# Altium PCB STB_LightBoard.PcbDoc (part 30 of 31)
Units mm, origin at the board's own origin, x right, y up, seen from the top; angles counter-clockwise.
Board outline 348 x 348 mm, 2 copper layers (Top Layer, Bottom Layer), stack 1.672 mm thick; 3807 components, 3391 nets, 11616 pads, 2553 vias.
Unrouted connection lines stored in the file: 68.
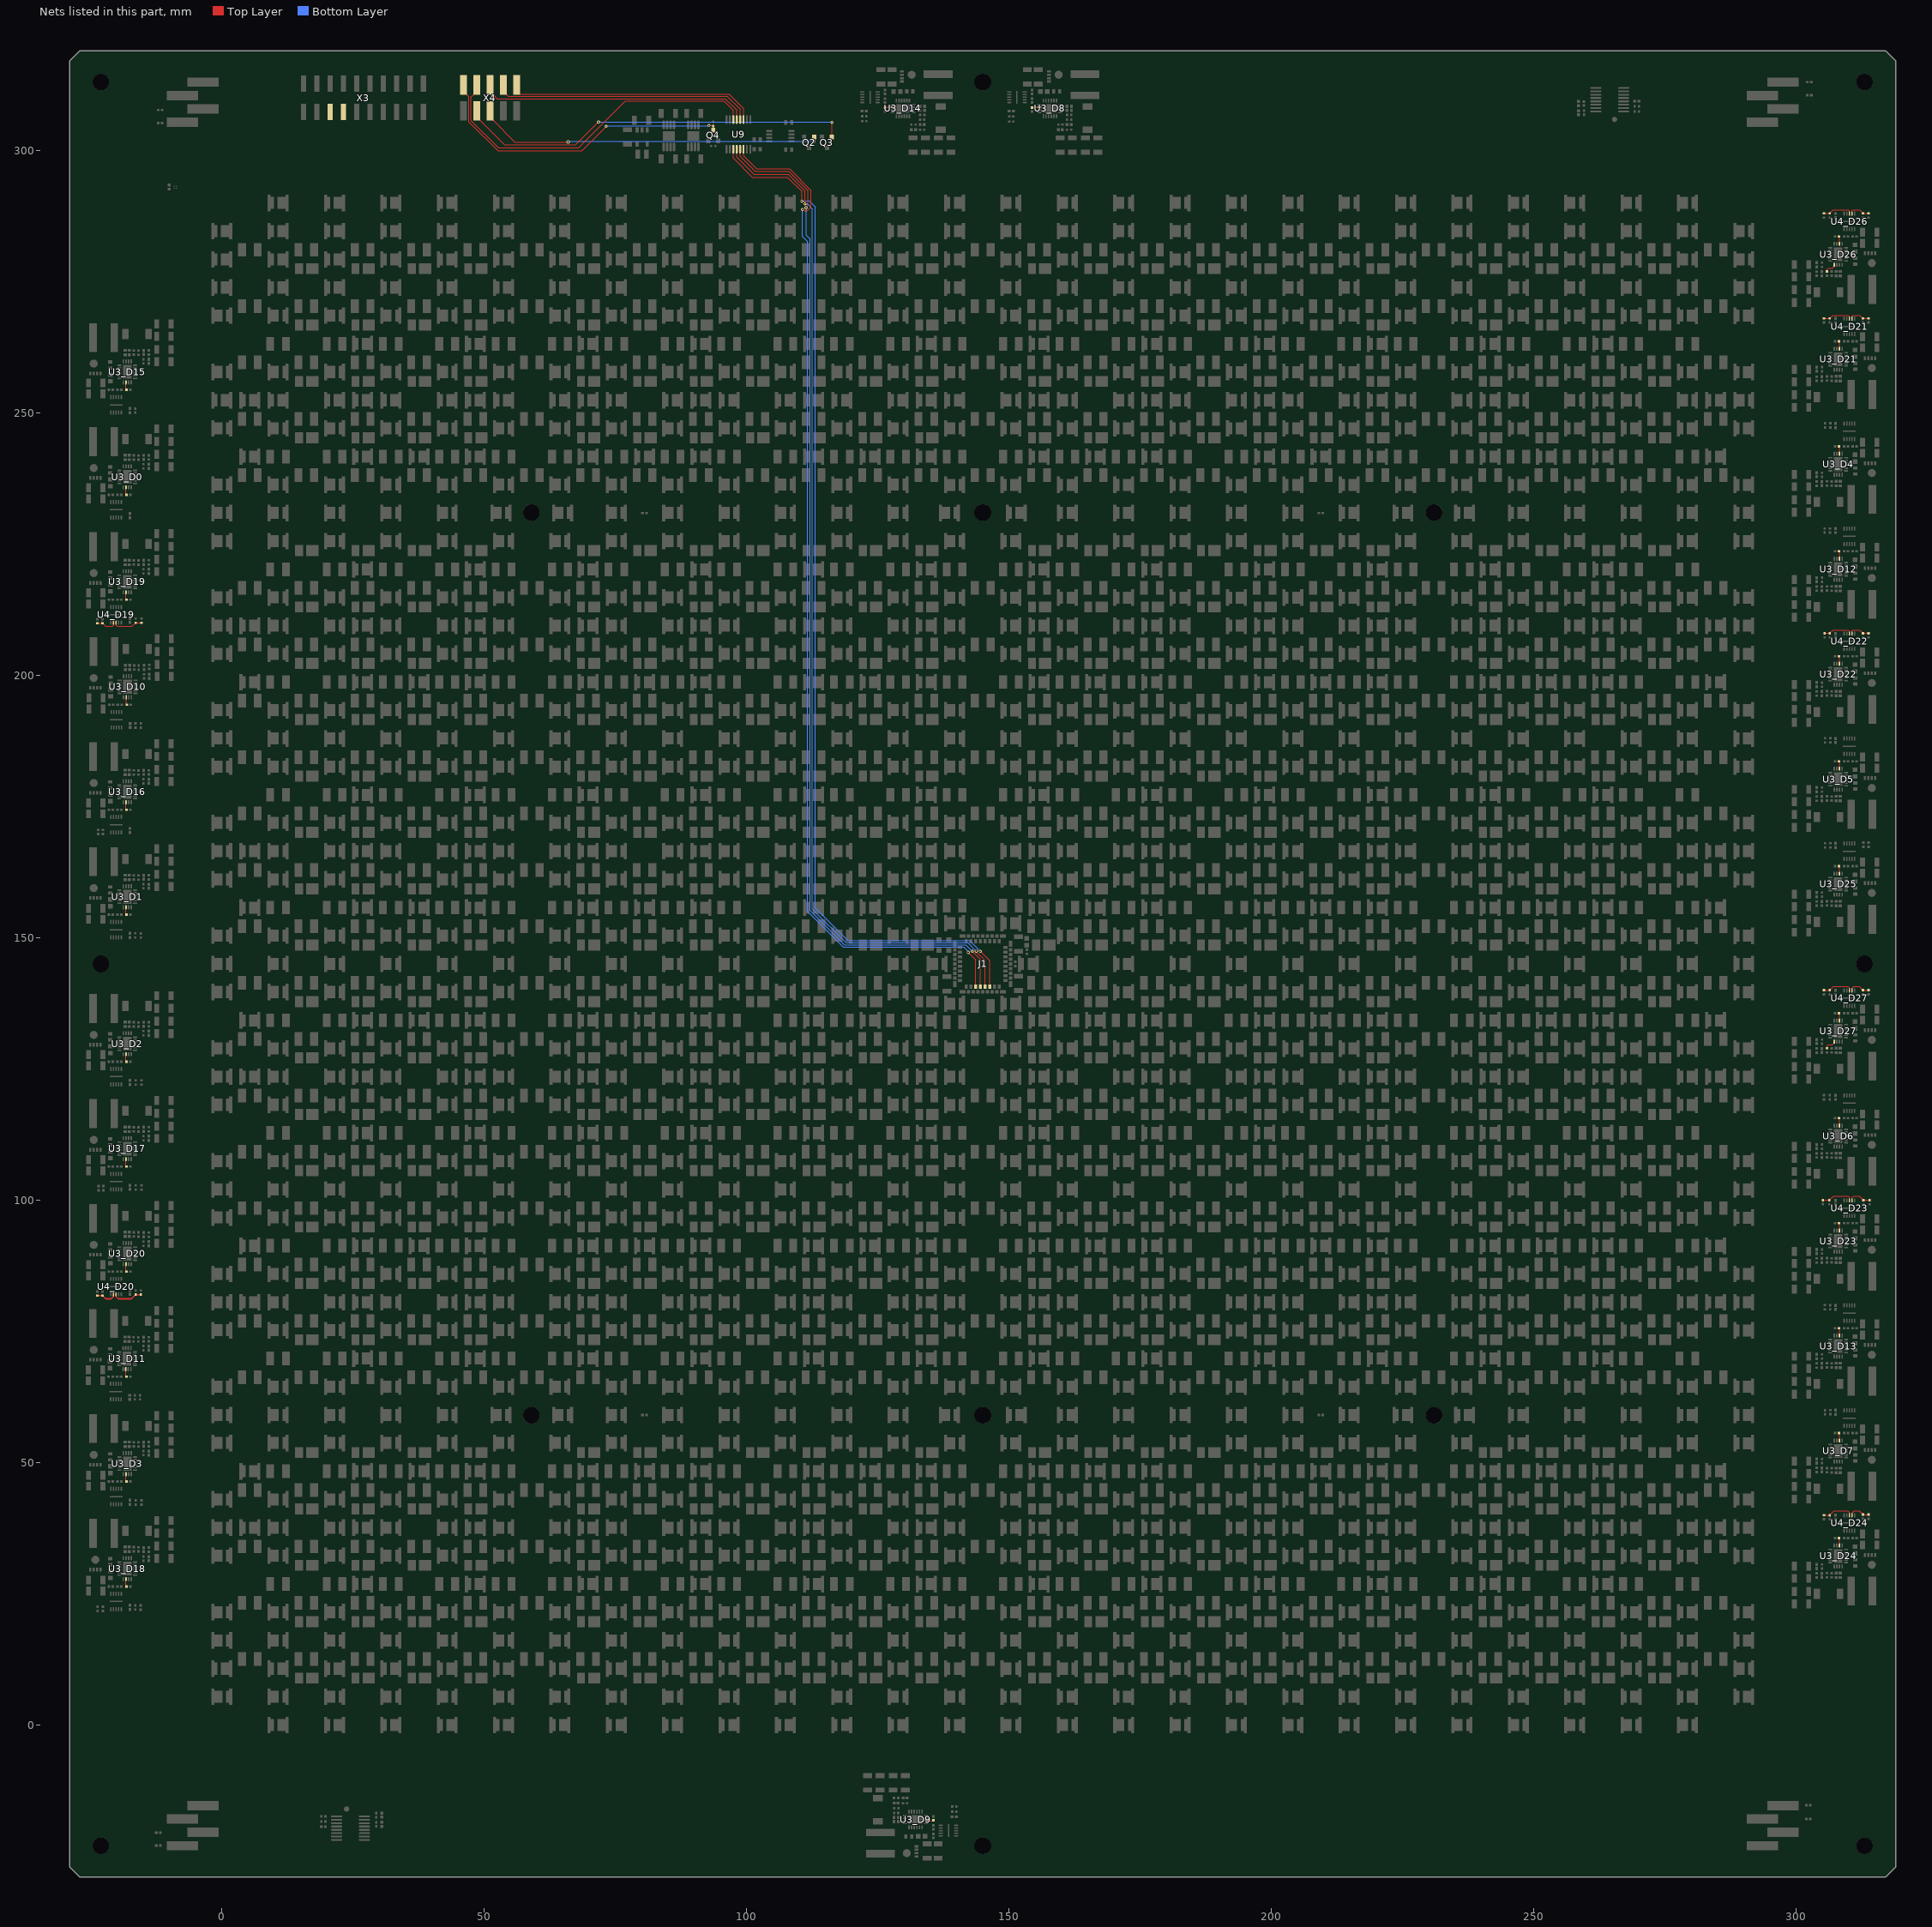
[diagram p30: the nets of this part, all layers, seen from the top]

## Via types
v1: diameter 0.604, hole 0.3, Top Layer to Bottom Layer, tented both sides, 2553 vias

## Nets (pads, with @x,y where several pads share a name; then routed paths per layer and width w, separated by ;. In a path a pad name is that pad's centre, name@x,y a point inside that pad or via, vN(x,y) a via of type N, cw(c..) or ccw(c..) an arc to the next point about the centre after c; other vN are vias at no path point) (continued)
NetR59_D26_2: R59_D26.2 U3_D26.17 | length 2.3
  Top Layer w0.2: R59_D26.2@305.875,276.94 305.884,276.948 305.884,277.347 306.112,277.575 306.875,277.575 307.25,277.95 U3_D26.17@307.25,278.2
NetR59_D27_2: R59_D27.2 U3_D27.17 | length 2.3
  Top Layer w0.2: R59_D27.2@305.875,128.94 305.884,128.948 305.884,129.347 306.112,129.575 306.875,129.575 307.25,129.95 U3_D27.17@307.25,130.2
NetR60_D0_2: R60_D0.2 U3_D0.8 | length 1.5
  Top Layer w0.2: U3_D0.8@-18.25,235.8 -18.231,235.781 -18.231,234.495 R60_D0.2@-18.125,234.389
NetR60_D1_2: R60_D1.2 U3_D1.8 | length 1.5
  Top Layer w0.2: U3_D1.8@-18.25,155.8 -18.231,155.781 -18.231,154.495 R60_D1.2@-18.125,154.389
NetR60_D2_2: R60_D2.2 U3_D2.8 | length 1.5
  Top Layer w0.2: U3_D2.8@-18.25,127.8 -18.231,127.781 -18.231,126.495 R60_D2.2@-18.125,126.389
NetR60_D3_2: R60_D3.2 U3_D3.8 | length 1.5
  Top Layer w0.2: U3_D3.8@-18.25,47.8 -18.231,47.781 -18.231,46.495 R60_D3.2@-18.125,46.389
NetR60_D4_2: R60_D4.2 U3_D4.8 | length 1.3
  Top Layer w0.2: R60_D4.2@308.231,243.505 308.231,242.219 U3_D4.8@308.25,242.2
NetR60_D5_2: R60_D5.2 U3_D5.8 | length 1.5
  Top Layer w0.2: R60_D5.2@308.125,183.611 308.231,183.505 308.231,182.219 U3_D5.8@308.25,182.2
NetR60_D6_2: R60_D6.2 U3_D6.8 | length 1.5
  Top Layer w0.2: R60_D6.2@308.125,115.611 308.231,115.505 308.231,114.219 U3_D6.8@308.25,114.2
NetR60_D7_2: R60_D7.2 U3_D7.8 | length 1.5
  Top Layer w0.2: R60_D7.2@308.125,55.611 308.231,55.505 308.231,54.219 U3_D7.8@308.25,54.2
NetR60_D8_2: R60_D8.2 U3_D8.8 | length 1.5
  Top Layer w0.2: R60_D8.2@154.389,308.125 154.495,308.231 155.781,308.231 U3_D8.8@155.8,308.25
NetR60_D9_2: R60_D9.2 U3_D9.8 | length 1.5
  Top Layer w0.2: U3_D9.8@134.2,-18.25 134.219,-18.231 135.505,-18.231 R60_D9.2@135.611,-18.125
NetR60_D10_2: R60_D10.2 U3_D10.8 | length 1.5
  Top Layer w0.2: U3_D10.8@-18.192,195.8 -18.173,195.781 -18.173,194.495 R60_D10.2@-18.067,194.389
NetR60_D11_2: R60_D11.2 U3_D11.8 | length 1.5
  Top Layer w0.2: U3_D11.8@-18.292,67.8 -18.273,67.781 -18.273,66.495 R60_D11.2@-18.167,66.389
NetR60_D12_2: R60_D12.2 U3_D12.8 | length 1.5
  Top Layer w0.2: R60_D12.2@308.125,223.611 308.231,223.505 308.231,222.219 U3_D12.8@308.25,222.2
NetR60_D13_2: R60_D13.2 U3_D13.8 | length 1.5
  Top Layer w0.2: R60_D13.2@308.125,75.611 308.231,75.505 308.231,74.219 U3_D13.8@308.25,74.2
NetR60_D14_2: R60_D14.2 U3_D14.8 | length 1.5
  Top Layer w0.2: R60_D14.2@126.389,308.125 126.495,308.231 127.781,308.231 U3_D14.8@127.8,308.25
NetR60_D15_2: R60_D15.2 U3_D15.8 | length 1.5
  Top Layer w0.2: U3_D15.8@-18.25,255.8 -18.231,255.781 -18.231,254.495 R60_D15.2@-18.125,254.389
NetR60_D16_2: R60_D16.2 U3_D16.8 | length 1.5
  Top Layer w0.2: U3_D16.8@-18.25,175.8 -18.231,175.781 -18.231,174.495 R60_D16.2@-18.125,174.389
NetR60_D17_2: R60_D17.2 U3_D17.8 | length 1.5
  Top Layer w0.2: U3_D17.8@-18.25,107.8 -18.231,107.781 -18.231,106.495 R60_D17.2@-18.125,106.389
NetR60_D18_2: R60_D18.2 U3_D18.8 | length 1.5
  Top Layer w0.2: U3_D18.8@-18.25,27.8 -18.231,27.781 -18.231,26.495 R60_D18.2@-18.125,26.389
NetR60_D19_2: R60_D19.2 U3_D19.8 | length 1.5
  Top Layer w0.2: U3_D19.8@-18.25,215.8 -18.231,215.781 -18.231,214.495 R60_D19.2@-18.125,214.389
NetR60_D20_2: R60_D20.2 U3_D20.8 | length 1.5
  Top Layer w0.2: U3_D20.8@-18.25,87.8 -18.231,87.781 -18.231,86.495 R60_D20.2@-18.125,86.389
NetR60_D21_2: R60_D21.2 U3_D21.8 | length 1.5
  Top Layer w0.2: R60_D21.2@308.125,263.611 308.231,263.505 308.231,262.219 U3_D21.8@308.25,262.2
NetR60_D22_2: R60_D22.2 U3_D22.8 | length 1.5
  Top Layer w0.2: R60_D22.2@308.125,203.611 308.231,203.505 308.231,202.219 U3_D22.8@308.25,202.2
NetR60_D23_2: R60_D23.2 U3_D23.8 | length 1.5
  Top Layer w0.2: R60_D23.2@308.125,95.611 308.231,95.505 308.231,94.219 U3_D23.8@308.25,94.2
NetR60_D24_2: R60_D24.2 U3_D24.8 | length 1.5
  Top Layer w0.2: R60_D24.2@308.125,35.611 308.231,35.505 308.231,34.219 U3_D24.8@308.25,34.2
NetR60_D25_2: R60_D25.2 U3_D25.8 | length 1.5
  Top Layer w0.2: R60_D25.2@308.125,163.611 308.231,163.505 308.231,162.219 U3_D25.8@308.25,162.2
NetR60_D26_2: R60_D26.2 U3_D26.8 | length 1.5
  Top Layer w0.2: R60_D26.2@308.125,283.611 308.231,283.505 308.231,282.219 U3_D26.8@308.25,282.2
NetR60_D27_2: R60_D27.2 U3_D27.8 | length 1.5
  Top Layer w0.2: R60_D27.2@308.125,135.611 308.231,135.505 308.231,134.219 U3_D27.8@308.25,134.2
NetR61_1: R61.1 R63.2 U4_D19.3 | length 5.7
  Top Layer w0.2: U4_D19.3@-20.125,210.05 -20.125,209.542 -19.883,209.3 -17.1,209.3 R61.1@-16.4,210 R63.2@-15.3,210
NetR62_1: R62.1 R64.2 U4_D20.3 | length 5.7
  Top Layer w0.254: U4_D20.3@-20.125,82.05 -20.123,82.048 -20.123,81.623 -19.7,81.2 -17.2,81.2 R62.1@-16.4,82 R64.2@-15.4,82
NetR65_1: R65.1 R67.2 U4_D19.2 | length 4
  Top Layer w0.2: R67.2@-23.7,209.9 R65.1@-22.7,209.9 -22.1,209.3 -20.8,209.3 -20.635,209.465 -20.635,210.04 U4_D19.2@-20.625,210.05
NetR66_1: R66.1 R68.2 U4_D20.2 | length 3.9
  Top Layer w0.254: R68.2@-23.7,81.8 R66.1@-22.7,81.8 -22.1,81.2 -21.026,81.2 -20.627,81.599 -20.627,82.048 U4_D20.2@-20.625,82.05
NetR69_1: R69.1 R73.2 U4_D24.3 | length 5.9
  Top Layer w0.2: R73.2@305.3,40 305.313,39.987 306.387,39.987 R69.1@306.4,39.975 306.4,40 307.2,40.8 309.798,40.8 310.115,40.483 310.115,40.06 310.125,40.05 U4_D24.3@310.125,39.95
NetR70_1: R70.1 R74.2 U4_D21.3 | length 5.7
  Top Layer w0.2: R74.2@305.3,268 R70.1@306.4,268 307.002,268.602 309.996,268.602 310.115,268.483 310.115,267.96 U4_D21.3@310.125,267.95
NetR71_1: R71.1 R75.2 U4_D22.3 | length 5.6
  Top Layer w0.2: R75.2@305.4,208 R71.1@306.4,208 307.002,208.602 309.996,208.602 310.115,208.483 310.115,207.96 U4_D22.3@310.125,207.95
NetR72_1: R72.1 R76.2 U4_D23.3 | length 6.1
  Top Layer w0.2: R76.2@305.1,99.975 305.113,99.988 306.288,99.988 R72.1@306.3,100 307.1,100.8 309.906,100.8 310.115,100.59 310.115,99.96 U4_D23.3@310.125,99.95
NetR77_1: R77.1 R81.2 U4_D24.2 | length 4.1
  Top Layer w0.2: U4_D24.2@310.625,39.95 310.635,39.96 310.635,40.417 311.017,40.8 312,40.8 R77.1@312.7,40.1 R81.2@313.8,40.1
NetR78_1: R78.1 R82.2 U4_D21.2 | length 4
  Top Layer w0.2: U4_D21.2@310.625,267.95 310.635,267.96 310.635,268.435 310.802,268.602 312.098,268.602 R78.1@312.7,268 R82.2@313.8,268
NetR79_1: R79.1 R83.2 U4_D22.2 | length 4
  Top Layer w0.2: U4_D22.2@310.625,207.95 310.635,207.96 310.635,208.483 310.754,208.602 312.098,208.602 R79.1@312.7,208 R83.2@313.8,208
NetR80_1: R80.1 R84.2 U4_D23.2 | length 4.4
  Top Layer w0.2: U4_D23.2@310.625,99.95 310.635,99.96 310.635,100.483 310.952,100.8 312,100.8 R80.1@312.8,100 R84.2@314,100
NetR85_1: R85.1 R86.2 U4_D26.3 | length 5.6
  Top Layer w0.2: R86.2@305.3,288 R85.1@306.4,288 307.029,288.629 309.871,288.629 310.123,288.377 U4_D26.3@310.123,287.952
  Top Layer w0.254: U4_D26.3@310.123,287.952 U4_D26.3@310.125,287.95
NetR87_1: R87.1 R88.2 U4_D26.2 | length 4
  Top Layer w0.2: U4_D26.2@310.625,287.95 310.625,288.462 310.792,288.629 312.071,288.629 R87.1@312.7,288 R88.2@313.8,288
NetR89_1: R89.1 R90.2 U4_D27.3 | length 5.7
  Top Layer w0.2: R90.2@305.3,140 R89.1@306.4,140 307.1,140.7 309.8,140.7 310.115,140.385 310.115,139.96 U4_D27.3@310.125,139.95
NetR91_1: R91.1 R92.2 U4_D27.2 | length 4
  Top Layer w0.2: U4_D27.2@310.625,139.95 310.635,139.96 310.635,140.383 310.952,140.7 312,140.7 R91.1@312.7,140 R92.2@313.8,140
PW_DWN: Q2.1 X4.5 | length 65.8
  Top Layer w0.2: X4.5@51.13,307.525 51.13,306.32 51.665,305.785 55.85,301.6 v1(66,301.6) ; v1(112.875,301.675) Q2.1@112.875,302.525
  Bottom Layer w0.2: v1(66,301.6) 66.077,301.677 66.296,301.677 66.319,301.7 v1@112.875,301.7
RESET: Q3.1 X4.3 | length 75.7
  Top Layer w0.2: X4.3@48.59,307.525 48.59,306.32 49.125,305.785 49.149,305.785 53.888,301.046 67.446,301.046 v1(71.8,305.4) ; v1(116.271,305.324) 116.271,302.529 Q3.1@116.275,302.525
  Bottom Layer w0.2: v1(71.8,305.4) 71.825,305.375 v1@116.271,305.375 ; v1@116.246,305.35 v1(116.271,305.324)
SPI_CAM_CLK: J1.13 U9.12 | length 196.8
  Top Layer w0.2: U9.12@98.125,300.225 98.125,298.688 101.413,295.4 107.966,295.4 111.103,292.263 111.103,289.835 v1(111.143,289.795) ; v1(143.768,147.425) 143.768,147.36 145.45,145.678 J1.13@145.45,140.69
  Bottom Layer w0.2: v1(111.143,289.795) 111.605,289.795 112.563,288.837 112.563,155.437 118.988,149.012 142.18,149.012 v1(143.768,147.425)
SPI_CAM_MISO: J1.12 U9.13 | length 196.1
  Top Layer w0.2: U9.13@98.775,300.225 98.775,298.852 101.627,296 108.074,296 111.697,292.376 111.697,289.526 111.346,289.175 v1(111.346,289.066) ; v1(143,147.4) 144.55,145.85 J1.12@144.55,140.69
  Bottom Layer w0.2: v1(111.346,289.066) 111.346,283.854 112.108,283.092 112.108,155.186 118.655,148.64 141.76,148.64 v1(143,147.4)
SPI_CAM_MOSI: J1.11 U9.14 | length 197.2
  Top Layer w0.2: U9.14@99.425,300.225 99.425,298.958 101.883,296.5 108.161,296.5 112.3,292.361 112.3,289.236 111.576,288.512 111.001,288.512 110.774,288.739 v1(110.664,288.739) ; v1(142.245,147.2) 142.901,146.544 143.65,145.796 J1.11@143.65,140.69
  Bottom Layer w0.2: v1(110.664,288.739) 110.664,283.636 111.646,282.654 111.646,154.967 118.404,148.209 141.346,148.209 142.245,147.31 v1(142.245,147.2)
SPI_CAM_nCS: J1.14 U9.11 | length 198.2
  Top Layer w0.2: U9.11@97.475,300.225 97.475,298.553 101.128,294.9 107.8,294.9 110.549,292.151 v1(110.549,290.299) ; v1(144.53,147.416) 146.355,145.592 J1.14@146.355,140.695
  Bottom Layer w0.2: v1(110.549,290.299) 110.6,290.349 111.951,290.349 113.098,289.202 113.098,155.666 119.285,149.478 142.498,149.478 144.53,147.446 v1(144.53,147.416)
SPI_CLK: U9.5 X4.6 | length 51.5
  Top Layer w0.2: X4.6@51.13,312.475 51.665,311.94 51.665,310.699 52.514,309.851 95.949,309.851 98.125,307.675 U9.5@98.125,305.875
SPI_MISO: U9.4 X4.8 | length 49.7
  Top Layer w0.2: X4.8@53.67,312.475 53.67,311.27 53.692,311.248 54.62,310.32 96.28,310.32 98.775,307.825 U9.4@98.775,305.875
SPI_MOSI: U9.3 X4.10 | length 47.9
  Top Layer w0.2: X4.10@56.21,312.475 56.21,311.27 56.745,310.735 96.665,310.735 99.425,307.975 U9.3@99.425,305.875
SPI_nCS: U9.6 X4.4 | length 65.5
  Top Layer w0.2: X4.4@48.59,311.045 48.59,311.252 X4.4@48.59,312.25 ; X4.4@48.615,311.252 47.537,310.173 47.537,305.636 52.69,300.483 67.983,300.483 76.878,309.378 95.722,309.378 97.475,307.625 U9.6@97.475,305.875
UART_LIGHT_RX: X3.7
UART_LIGHT_TX: X3.5
VSYNC: Q4.3 R95.2 X4.2 | length 60
  Top Layer w0.2: X4.2@46.05,311.045 X4.2@46.05,312.25 ; X4.2@46.075,311.252 47.09,310.237 47.09,305.433 52.604,299.919 68.619,299.919 73.234,304.534 v1(73.234,304.602) ; v1(92.825,304.732) 93.65,304.732 Q4.3@93.65,303.85 R95.2@93.65,304.65
  Bottom Layer w0.2: v1(73.234,304.602) 73.299,304.667 92.76,304.667 v1(92.825,304.732)
pads on no net: J1.17 J1.28 J1.29 J1.31 J1.32 U3_D0.5 U3_D1.5 U3_D2.5 U3_D3.5 U3_D4.5 U3_D5.5 U3_D6.5 U3_D7.5 U3_D8.5 U3_D9.5 U3_D10.5 U3_D11.5 U3_D12.5 U3_D13.5 U3_D14.5 U3_D15.5 U3_D16.5 U3_D17.5 U3_D18.5 U3_D19.5 U3_D20.5 U3_D21.5 U3_D22.5 U3_D23.5 U3_D24.5 U3_D25.5 U3_D26.5 U3_D27.5 U4_D0.6 U4_D1.6 U4_D2.6 U4_D3.6 U4_D4.6 U4_D5.6 U4_D6.6 U4_D7.6 U4_D8.6 U4_D9.6 U4_D10.6 U4_D11.6 U4_D12.6 U4_D13.6 U4_D14.6 U4_D15.6 U4_D16.6 U4_D17.6 U4_D18.6 U4_D19.6 U4_D20.6 U4_D21.6 U4_D22.6 U4_D23.6 U4_D24.6 U4_D25.6 U4_D26.6 U4_D27.6 U5.6 U6.6

## Polygon pours and split planes (outlines as drawn)
GND on Top Layer "NONET_L-01_P-001" (solid, remove dead copper, pour order 92): -30,-30 320,-30 320,320 -30,320
12V on Top Layer "NONET_L-01_P-001" (solid, remove dead copper, pour order 65): 37.758,306.908 33.971,306.908 33.971,315.606 34.364,315.999 37.427,315.999 37.758,315.668
NetC7_D8_2 on Top Layer "NONET_L-01_P-001" (solid, pour order 95): 163.286,302.402 163.286,306.82 167.83,306.82 167.83,302.402
NetC7_D14_2 on Top Layer "NONET_L-01_P-001" (solid, pour order 94): 135.286,302.402 135.286,306.82 139.83,306.82 139.83,302.402
NetC7_D9_2 on Top Layer "NONET_L-01_P-001" (solid, pour order 93): 126.714,-12.402 126.714,-16.82 122.17,-16.82 122.17,-12.402
NetC7_D24_2 on Top Layer "NONET_L-01_P-001" (solid, pour order 90): 302.402,26.714 306.82,26.714 306.82,22.17 302.402,22.17
NetC7_D7_2 on Top Layer "NONET_L-01_P-001" (solid, pour order 89): 302.402,46.714 306.82,46.714 306.82,42.17 302.402,42.17
NetC7_D13_2 on Top Layer "NONET_L-01_P-001" (solid, pour order 88): 302.402,66.714 306.82,66.714 306.82,62.17 302.402,62.17
NetC7_D23_2 on Top Layer "NONET_L-01_P-001" (solid, pour order 87): 302.402,86.714 306.82,86.714 306.82,82.17 302.402,82.17
NetC7_D6_2 on Top Layer "NONET_L-01_P-001" (solid, pour order 86): 302.402,106.714 306.82,106.714 306.82,102.17 302.402,102.17
NetC7_D27_2 on Top Layer "NONET_L-01_P-001" (solid, pour order 85): 302.402,126.714 306.82,126.714 306.82,122.17 302.402,122.17
NetC7_D25_2 on Top Layer "NONET_L-01_P-001" (solid, pour order 84): 302.402,154.714 306.82,154.714 306.82,150.17 302.402,150.17
NetC7_D5_2 on Top Layer "NONET_L-01_P-001" (solid, pour order 83): 302.402,174.714 306.82,174.714 306.82,170.17 302.402,170.17
NetC7_D22_2 on Top Layer "NONET_L-01_P-001" (solid, pour order 82): 302.402,194.714 306.82,194.714 306.82,190.17 302.402,190.17
NetC7_D12_2 on Top Layer "NONET_L-01_P-001" (solid, pour order 81): 302.402,214.714 306.82,214.714 306.82,210.17 302.402,210.17
NetC7_D4_2 on Top Layer "NONET_L-01_P-001" (solid, pour order 80): 302.402,234.714 306.82,234.714 306.82,230.17 302.402,230.17
NetC7_D21_2 on Top Layer "NONET_L-01_P-001" (solid, pour order 79): 302.402,254.714 306.82,254.714 306.82,250.17 302.402,250.17
NetC7_D26_2 on Top Layer "NONET_L-01_P-001" (solid, pour order 78): 302.402,274.714 306.82,274.714 306.82,270.17 302.402,270.17
NetC7_D18_2 on Top Layer "NONET_L-01_P-001" (solid, pour order 77): -12.402,35.286 -16.82,35.286 -16.82,39.83 -12.402,39.83
NetC7_D3_2 on Top Layer "NONET_L-01_P-001" (solid, pour order 76): -12.402,55.286 -16.82,55.286 -16.82,59.83 -12.402,59.83
NetC7_D11_2 on Top Layer "NONET_L-01_P-001" (solid, pour order 75): -12.444,75.286 -16.862,75.286 -16.862,79.83 -12.444,79.83
NetC7_D20_2 on Top Layer "NONET_L-01_P-001" (solid, pour order 74): -12.402,95.286 -16.82,95.286 -16.82,99.83 -12.402,99.83
NetC7_D17_2 on Top Layer "NONET_L-01_P-001" (solid, pour order 73): -12.402,115.286 -16.82,115.286 -16.82,119.83 -12.402,119.83
NetC7_D2_2 on Top Layer "NONET_L-01_P-001" (solid, pour order 72): -12.402,135.286 -16.82,135.286 -16.82,139.83 -12.402,139.83
NetC7_D1_2 on Top Layer "NONET_L-01_P-001" (solid, pour order 71): -12.402,163.286 -16.82,163.286 -16.82,167.83 -12.402,167.83
NetC7_D16_2 on Top Layer "NONET_L-01_P-001" (solid, pour order 70): -12.402,183.286 -16.82,183.286 -16.82,187.83 -12.402,187.83
NetC7_D10_2 on Top Layer "NONET_L-01_P-001" (solid, pour order 69): -12.344,203.286 -16.762,203.286 -16.762,207.83 -12.344,207.83
NetC7_D19_2 on Top Layer "NONET_L-01_P-001" (solid, pour order 68): -12.402,223.286 -16.82,223.286 -16.82,227.83 -12.402,227.83
NetC7_D15_2 on Top Layer "NONET_L-01_P-001" (solid, pour order 67): -12.402,263.286 -16.82,263.286 -16.82,267.83 -12.402,267.83
NetC7_D0_2 on Top Layer "NONET_L-01_P-001" (solid, pour order 66): -12.402,243.286 -16.82,243.286 -16.82,247.83 -12.402,247.83
GND on Bottom Layer "NONET_L-01_P-001" (solid, remove dead copper, pour order 91): -30,-30 -27.5,-32.5 320,-32.5 320,317.5 320,320 -30,320
24V on Bottom Layer "NONET_L-01_P-001" (solid, remove dead copper, pour order 61): -12,145 -12,293 -11,294 113,294 121,302 169,302 177,294 300,294 302,292 302,145 319,145 319,317 317,319 -27,319 -29,317 -29,145
12V on Bottom Layer "NONET_L-01_P-001" (solid, pour order 57): 305,308 305,319 -27,319 -29,317 -29,273 -25,273 -25,312 -22,315 -14,315 -13.292,314.292 -13.292,310.682 -12.642,310.033 -11.21,310.033 -10.727,310.516 -10.727,314.358 -10.085,315 125,315 127.4,315 127,315 151,315 155,315 300,315 301,314 301,308 302,307 304,307
12V on Bottom Layer "NONET_L-01_P-001" (solid, pour order 58): 303.673,-20.673 303.673,-29 -27,-29 -29,-27 -29,273 -25,273 -25,-22 -22,-25 -16,-25 -14.4,-23.4 -14.4,-18.3 -13.5,-17.4 -11.8,-17.4 -11,-18.2 -11,-24 -10,-25 123,-25 127,-25 151,-25 155,-25 300,-25 301,-24 301,-20.597 301.597,-20 303,-20
24V on Bottom Layer "NONET_L-01_P-001" (solid, remove dead copper, pour order 60): -12,145 -12,-3 -11,-4 113,-4 121,-12 141,-12 149,-4 300,-4 302,-2 302,145 319,145 319,-27 317,-29 -27,-29 -29,-27 -29,145
3V3 on Bottom Layer "NONET_L-01_P-001" (solid, pour order 63): -10.922,289.7 -8.622,292 114,292 122,300 168,300 176,292 299,292 300,291 300,34 301,33 302,33 302,292 300,294 177,294 169,302 121,302 113,294 -10.922,294
3V3 on Bottom Layer "NONET_L-01_P-001" (solid, pour order 62): -10,0 -8,-2 114,-2 123.002,-11.002 139.998,-11.002 142.5,-11.002 142.5,-12 121,-12 113,-4 -11,-4 -12,-3 -12,293 -11,294 -10,294


## Text inside footprints (layer, text, board x,y; h text height)
LED72_W5_A4: Mechanical 1 "A" at 73.663,13.026 h0.51 r180; Mechanical 1 "K" at 77.092,13.026 h0.51 r180
LED72_W5_A5: Mechanical 1 "A" at 84.404,2.286 h0.51 r180; Mechanical 1 "K" at 87.833,2.286 h0.51 r180
LED73_W5_10: Mechanical 1 "A" at 44.488,212.539 h0.51; Mechanical 1 "K" at 41.059,212.539 h0.51
LED73_W5_11: Mechanical 1 "A" at 44.488,223.279 h0.51; Mechanical 1 "K" at 41.059,223.279 h0.51
LED73_W5_12: Mechanical 1 "A" at 44.488,234.019 h0.51; Mechanical 1 "K" at 41.059,234.019 h0.51
LED73_W5_13: Mechanical 1 "A" at 44.488,244.759 h0.51; Mechanical 1 "K" at 41.059,244.759 h0.51
LED73_W5_14: Mechanical 1 "A" at 44.488,255.499 h0.51; Mechanical 1 "K" at 41.059,255.499 h0.51
LED73_W5_15: Mechanical 1 "A" at 44.488,266.239 h0.51; Mechanical 1 "K" at 41.059,266.239 h0.51
LED73_W5_20: Mechanical 1 "A" at 44.488,148.099 h0.51; Mechanical 1 "K" at 41.059,148.099 h0.51
LED73_W5_21: Mechanical 1 "A" at 44.488,158.839 h0.51; Mechanical 1 "K" at 41.059,158.839 h0.51
LED73_W5_22: Mechanical 1 "A" at 44.488,169.579 h0.51; Mechanical 1 "K" at 41.059,169.579 h0.51
LED73_W5_23: Mechanical 1 "A" at 44.488,180.319 h0.51; Mechanical 1 "K" at 41.059,180.319 h0.51
LED73_W5_24: Mechanical 1 "A" at 44.488,191.059 h0.51; Mechanical 1 "K" at 41.059,191.059 h0.51
LED73_W5_25: Mechanical 1 "A" at 44.488,201.799 h0.51; Mechanical 1 "K" at 41.059,201.799 h0.51
LED73_W5_30: Mechanical 1 "A" at 44.488,83.659 h0.51; Mechanical 1 "K" at 41.059,83.659 h0.51
LED73_W5_31: Mechanical 1 "A" at 44.488,94.399 h0.51; Mechanical 1 "K" at 41.059,94.399 h0.51
LED73_W5_32: Mechanical 1 "A" at 44.488,105.139 h0.51; Mechanical 1 "K" at 41.059,105.139 h0.51
LED73_W5_33: Mechanical 1 "A" at 44.488,115.879 h0.51; Mechanical 1 "K" at 41.059,115.879 h0.51
LED73_W5_34: Mechanical 1 "A" at 44.488,126.619 h0.51; Mechanical 1 "K" at 41.059,126.619 h0.51
LED73_W5_35: Mechanical 1 "A" at 44.488,137.359 h0.51; Mechanical 1 "K" at 41.059,137.359 h0.51
LED73_W5_40: Mechanical 1 "A" at 44.488,19.219 h0.51; Mechanical 1 "K" at 41.059,19.219 h0.51
LED73_W5_41: Mechanical 1 "A" at 44.488,29.959 h0.51; Mechanical 1 "K" at 41.059,29.959 h0.51
LED73_W5_42: Mechanical 1 "A" at 44.488,40.699 h0.51; Mechanical 1 "K" at 41.059,40.699 h0.51
LED73_W5_43: Mechanical 1 "A" at 44.488,51.439 h0.51; Mechanical 1 "K" at 41.059,51.439 h0.51
LED73_W5_44: Mechanical 1 "A" at 44.488,62.179 h0.51; Mechanical 1 "K" at 41.059,62.179 h0.51
LED73_W5_45: Mechanical 1 "A" at 44.488,72.919 h0.51; Mechanical 1 "K" at 41.059,72.919 h0.51
LED73_W5_50: Mechanical 1 "A" at 245.519,270.786 h0.51 r180; Mechanical 1 "K" at 248.948,270.786 h0.51 r180
LED73_W5_51: Mechanical 1 "A" at 245.519,260.046 h0.51 r180; Mechanical 1 "K" at 248.948,260.046 h0.51 r180
LED73_W5_52: Mechanical 1 "A" at 245.519,249.306 h0.51 r180; Mechanical 1 "K" at 248.948,249.306 h0.51 r180
LED73_W5_53: Mechanical 1 "A" at 245.519,238.566 h0.51 r180; Mechanical 1 "K" at 248.948,238.566 h0.51 r180
LED73_W5_54: Mechanical 1 "A" at 245.519,227.826 h0.51 r180; Mechanical 1 "K" at 248.948,227.826 h0.51 r180
LED73_W5_55: Mechanical 1 "A" at 245.519,217.086 h0.51 r180; Mechanical 1 "K" at 248.948,217.086 h0.51 r180
LED73_W5_60: Mechanical 1 "A" at 245.519,206.346 h0.51 r180; Mechanical 1 "K" at 248.948,206.346 h0.51 r180
LED73_W5_61: Mechanical 1 "A" at 245.519,195.606 h0.51 r180; Mechanical 1 "K" at 248.948,195.606 h0.51 r180
LED73_W5_62: Mechanical 1 "A" at 245.519,184.866 h0.51 r180; Mechanical 1 "K" at 248.948,184.866 h0.51 r180
LED73_W5_63: Mechanical 1 "A" at 245.519,174.126 h0.51 r180; Mechanical 1 "K" at 248.948,174.126 h0.51 r180
LED73_W5_64: Mechanical 1 "A" at 245.519,163.386 h0.51 r180; Mechanical 1 "K" at 248.948,163.386 h0.51 r180
LED73_W5_65: Mechanical 1 "A" at 245.519,152.646 h0.51 r180; Mechanical 1 "K" at 248.948,152.646 h0.51 r180
LED73_W5_70: Mechanical 1 "A" at 245.519,141.906 h0.51 r180; Mechanical 1 "K" at 248.948,141.906 h0.51 r180
LED73_W5_71: Mechanical 1 "A" at 245.519,131.166 h0.51 r180; Mechanical 1 "K" at 248.948,131.166 h0.51 r180
LED73_W5_72: Mechanical 1 "A" at 245.519,120.426 h0.51 r180; Mechanical 1 "K" at 248.948,120.426 h0.51 r180
LED73_W5_73: Mechanical 1 "A" at 245.519,109.686 h0.51 r180; Mechanical 1 "K" at 248.948,109.686 h0.51 r180
LED73_W5_74: Mechanical 1 "A" at 245.519,98.946 h0.51 r180; Mechanical 1 "K" at 248.948,98.946 h0.51 r180
LED73_W5_75: Mechanical 1 "A" at 245.519,88.206 h0.51 r180; Mechanical 1 "K" at 248.948,88.206 h0.51 r180
LED73_W5_80: Mechanical 1 "A" at 245.519,77.466 h0.51 r180; Mechanical 1 "K" at 248.948,77.466 h0.51 r180
LED73_W5_81: Mechanical 1 "A" at 245.519,66.726 h0.51 r180; Mechanical 1 "K" at 248.948,66.726 h0.51 r180
LED73_W5_82: Mechanical 1 "A" at 245.519,55.986 h0.51 r180; Mechanical 1 "K" at 248.948,55.986 h0.51 r180
LED73_W5_83: Mechanical 1 "A" at 245.519,45.246 h0.51 r180; Mechanical 1 "K" at 248.948,45.246 h0.51 r180
LED73_W5_84: Mechanical 1 "A" at 245.519,34.506 h0.51 r180; Mechanical 1 "K" at 248.948,34.506 h0.51 r180
LED73_W5_85: Mechanical 1 "A" at 245.519,23.766 h0.51 r180; Mechanical 1 "K" at 248.948,23.766 h0.51 r180
LED73_W5_90: Mechanical 1 "A" at 95.145,292.266 h0.51 r180; Mechanical 1 "K" at 98.574,292.266 h0.51 r180
LED73_W5_91: Mechanical 1 "A" at 84.404,281.526 h0.51 r180; Mechanical 1 "K" at 87.833,281.526 h0.51 r180
LED73_W5_92: Mechanical 1 "A" at 141.157,233.994 h0.51; Mechanical 1 "K" at 137.728,233.994 h0.51
LED73_W5_93: Mechanical 1 "A" at 148.85,238.566 h0.51 r180; Mechanical 1 "K" at 152.279,238.566 h0.51 r180
LED73_W5_94: Mechanical 1 "A" at 205.603,276.954 h0.51; Mechanical 1 "K" at 202.174,276.954 h0.51
LED73_W5_95: Mechanical 1 "A" at 194.862,287.694 h0.51; Mechanical 1 "K" at 191.433,287.694 h0.51
LED73_W5_A0: Mechanical 1 "A" at 194.862,-2.286 h0.51; Mechanical 1 "K" at 191.433,-2.286 h0.51
LED73_W5_A1: Mechanical 1 "A" at 205.603,8.454 h0.51; Mechanical 1 "K" at 202.174,8.454 h0.51
LED73_W5_A2: Mechanical 1 "A" at 148.85,55.986 h0.51 r180; Mechanical 1 "K" at 152.279,55.986 h0.51 r180
LED73_W5_A3: Mechanical 1 "A" at 141.157,51.414 h0.51; Mechanical 1 "K" at 137.728,51.414 h0.51
LED73_W5_A4: Mechanical 1 "A" at 84.404,13.026 h0.51 r180; Mechanical 1 "K" at 87.833,13.026 h0.51 r180
LED73_W5_A5: Mechanical 1 "A" at 95.145,2.286 h0.51 r180; Mechanical 1 "K" at 98.574,2.286 h0.51 r180
LED74_W5_10: Mechanical 1 "A" at 33.747,212.539 h0.51; Mechanical 1 "K" at 30.318,212.539 h0.51
LED74_W5_11: Mechanical 1 "A" at 33.747,223.279 h0.51; Mechanical 1 "K" at 30.318,223.279 h0.51
LED74_W5_12: Mechanical 1 "A" at 33.747,234.019 h0.51; Mechanical 1 "K" at 30.318,234.019 h0.51
LED74_W5_13: Mechanical 1 "A" at 33.747,244.759 h0.51; Mechanical 1 "K" at 30.318,244.759 h0.51
LED74_W5_14: Mechanical 1 "A" at 33.747,255.499 h0.51; Mechanical 1 "K" at 30.318,255.499 h0.51
LED74_W5_15: Mechanical 1 "A" at 33.747,266.239 h0.51; Mechanical 1 "K" at 30.318,266.239 h0.51
LED74_W5_20: Mechanical 1 "A" at 33.747,148.099 h0.51; Mechanical 1 "K" at 30.318,148.099 h0.51
LED74_W5_21: Mechanical 1 "A" at 33.747,158.839 h0.51; Mechanical 1 "K" at 30.318,158.839 h0.51
LED74_W5_22: Mechanical 1 "A" at 33.747,169.579 h0.51; Mechanical 1 "K" at 30.318,169.579 h0.51
LED74_W5_23: Mechanical 1 "A" at 33.747,180.319 h0.51; Mechanical 1 "K" at 30.318,180.319 h0.51
LED74_W5_24: Mechanical 1 "A" at 33.747,191.059 h0.51; Mechanical 1 "K" at 30.318,191.059 h0.51
LED74_W5_25: Mechanical 1 "A" at 33.747,201.799 h0.51; Mechanical 1 "K" at 30.318,201.799 h0.51
LED74_W5_30: Mechanical 1 "A" at 33.747,83.659 h0.51; Mechanical 1 "K" at 30.318,83.659 h0.51
LED74_W5_31: Mechanical 1 "A" at 33.747,94.399 h0.51; Mechanical 1 "K" at 30.318,94.399 h0.51
LED74_W5_32: Mechanical 1 "A" at 33.747,105.139 h0.51; Mechanical 1 "K" at 30.318,105.139 h0.51
LED74_W5_33: Mechanical 1 "A" at 33.747,115.879 h0.51; Mechanical 1 "K" at 30.318,115.879 h0.51
LED74_W5_34: Mechanical 1 "A" at 33.747,126.619 h0.51; Mechanical 1 "K" at 30.318,126.619 h0.51
LED74_W5_35: Mechanical 1 "A" at 33.747,137.359 h0.51; Mechanical 1 "K" at 30.318,137.359 h0.51
LED74_W5_40: Mechanical 1 "A" at 33.747,19.219 h0.51; Mechanical 1 "K" at 30.318,19.219 h0.51
LED74_W5_41: Mechanical 1 "A" at 33.747,29.959 h0.51; Mechanical 1 "K" at 30.318,29.959 h0.51
LED74_W5_42: Mechanical 1 "A" at 33.747,40.699 h0.51; Mechanical 1 "K" at 30.318,40.699 h0.51
LED74_W5_43: Mechanical 1 "A" at 33.747,51.439 h0.51; Mechanical 1 "K" at 30.318,51.439 h0.51
LED74_W5_44: Mechanical 1 "A" at 33.747,62.179 h0.51; Mechanical 1 "K" at 30.318,62.179 h0.51
LED74_W5_45: Mechanical 1 "A" at 33.747,72.919 h0.51; Mechanical 1 "K" at 30.318,72.919 h0.51
LED74_W5_50: Mechanical 1 "A" at 256.26,270.786 h0.51 r180; Mechanical 1 "K" at 259.689,270.786 h0.51 r180
LED74_W5_51: Mechanical 1 "A" at 256.26,260.046 h0.51 r180; Mechanical 1 "K" at 259.689,260.046 h0.51 r180
LED74_W5_52: Mechanical 1 "A" at 256.26,249.306 h0.51 r180; Mechanical 1 "K" at 259.689,249.306 h0.51 r180
LED74_W5_53: Mechanical 1 "A" at 256.26,238.566 h0.51 r180; Mechanical 1 "K" at 259.689,238.566 h0.51 r180
LED74_W5_54: Mechanical 1 "A" at 256.26,227.826 h0.51 r180; Mechanical 1 "K" at 259.689,227.826 h0.51 r180
LED74_W5_55: Mechanical 1 "A" at 256.26,217.086 h0.51 r180; Mechanical 1 "K" at 259.689,217.086 h0.51 r180
LED74_W5_60: Mechanical 1 "A" at 256.26,206.346 h0.51 r180; Mechanical 1 "K" at 259.689,206.346 h0.51 r180
LED74_W5_61: Mechanical 1 "A" at 256.26,195.606 h0.51 r180; Mechanical 1 "K" at 259.689,195.606 h0.51 r180
LED74_W5_62: Mechanical 1 "A" at 256.26,184.866 h0.51 r180; Mechanical 1 "K" at 259.689,184.866 h0.51 r180
LED74_W5_63: Mechanical 1 "A" at 256.26,174.126 h0.51 r180; Mechanical 1 "K" at 259.689,174.126 h0.51 r180
LED74_W5_64: Mechanical 1 "A" at 256.26,163.386 h0.51 r180; Mechanical 1 "K" at 259.689,163.386 h0.51 r180
LED74_W5_65: Mechanical 1 "A" at 256.26,152.646 h0.51 r180; Mechanical 1 "K" at 259.689,152.646 h0.51 r180
LED74_W5_70: Mechanical 1 "A" at 256.26,141.906 h0.51 r180; Mechanical 1 "K" at 259.689,141.906 h0.51 r180
LED74_W5_71: Mechanical 1 "A" at 256.26,131.166 h0.51 r180; Mechanical 1 "K" at 259.689,131.166 h0.51 r180
LED74_W5_72: Mechanical 1 "A" at 256.26,120.426 h0.51 r180; Mechanical 1 "K" at 259.689,120.426 h0.51 r180
LED74_W5_73: Mechanical 1 "A" at 256.26,109.686 h0.51 r180; Mechanical 1 "K" at 259.689,109.686 h0.51 r180
LED74_W5_74: Mechanical 1 "A" at 256.26,98.946 h0.51 r180; Mechanical 1 "K" at 259.689,98.946 h0.51 r180
LED74_W5_75: Mechanical 1 "A" at 256.26,88.206 h0.51 r180; Mechanical 1 "K" at 259.689,88.206 h0.51 r180
LED74_W5_80: Mechanical 1 "A" at 256.26,77.466 h0.51 r180; Mechanical 1 "K" at 259.689,77.466 h0.51 r180
LED74_W5_81: Mechanical 1 "A" at 256.26,66.726 h0.51 r180; Mechanical 1 "K" at 259.689,66.726 h0.51 r180
LED74_W5_82: Mechanical 1 "A" at 256.26,55.986 h0.51 r180; Mechanical 1 "K" at 259.689,55.986 h0.51 r180
LED74_W5_83: Mechanical 1 "A" at 256.26,45.246 h0.51 r180; Mechanical 1 "K" at 259.689,45.246 h0.51 r180
LED74_W5_84: Mechanical 1 "A" at 256.26,34.506 h0.51 r180; Mechanical 1 "K" at 259.689,34.506 h0.51 r180
LED74_W5_85: Mechanical 1 "A" at 256.26,23.766 h0.51 r180; Mechanical 1 "K" at 259.689,23.766 h0.51 r180
LED74_W5_90: Mechanical 1 "A" at 105.886,292.266 h0.51 r180; Mechanical 1 "K" at 109.315,292.266 h0.51 r180
LED74_W5_91: Mechanical 1 "A" at 95.145,281.526 h0.51 r180; Mechanical 1 "K" at 98.574,281.526 h0.51 r180
LED74_W5_92: Mechanical 1 "A" at 141.157,244.734 h0.51; Mechanical 1 "K" at 137.728,244.734 h0.51
LED74_W5_93: Mechanical 1 "A" at 148.85,249.306 h0.51 r180; Mechanical 1 "K" at 152.279,249.306 h0.51 r180
LED74_W5_94: Mechanical 1 "A" at 194.862,276.954 h0.51; Mechanical 1 "K" at 191.433,276.954 h0.51
LED74_W5_95: Mechanical 1 "A" at 184.121,287.694 h0.51; Mechanical 1 "K" at 180.692,287.694 h0.51
LED74_W5_A0: Mechanical 1 "A" at 184.121,-2.286 h0.51; Mechanical 1 "K" at 180.692,-2.286 h0.51
LED74_W5_A1: Mechanical 1 "A" at 194.862,8.454 h0.51; Mechanical 1 "K" at 191.433,8.454 h0.51
LED74_W5_A2: Mechanical 1 "A" at 148.85,45.246 h0.51 r180; Mechanical 1 "K" at 152.279,45.246 h0.51 r180
LED74_W5_A3: Mechanical 1 "A" at 141.157,40.674 h0.51; Mechanical 1 "K" at 137.728,40.674 h0.51
LED74_W5_A4: Mechanical 1 "A" at 95.145,13.026 h0.51 r180; Mechanical 1 "K" at 98.574,13.026 h0.51 r180
LED74_W5_A5: Mechanical 1 "A" at 105.886,2.286 h0.51 r180; Mechanical 1 "K" at 109.315,2.286 h0.51 r180
LED75_W5_10: Mechanical 1 "A" at 23.006,212.539 h0.51; Mechanical 1 "K" at 19.577,212.539 h0.51
LED75_W5_11: Mechanical 1 "A" at 23.006,223.279 h0.51; Mechanical 1 "K" at 19.577,223.279 h0.51
LED75_W5_12: Mechanical 1 "A" at 23.006,234.019 h0.51; Mechanical 1 "K" at 19.577,234.019 h0.51
LED75_W5_13: Mechanical 1 "A" at 23.006,244.759 h0.51; Mechanical 1 "K" at 19.577,244.759 h0.51
LED75_W5_14: Mechanical 1 "A" at 23.006,255.499 h0.51; Mechanical 1 "K" at 19.577,255.499 h0.51
LED75_W5_15: Mechanical 1 "A" at 23.006,266.239 h0.51; Mechanical 1 "K" at 19.577,266.239 h0.51
LED75_W5_20: Mechanical 1 "A" at 23.006,148.099 h0.51; Mechanical 1 "K" at 19.577,148.099 h0.51
LED75_W5_21: Mechanical 1 "A" at 23.006,158.839 h0.51; Mechanical 1 "K" at 19.577,158.839 h0.51
LED75_W5_22: Mechanical 1 "A" at 23.006,169.579 h0.51; Mechanical 1 "K" at 19.577,169.579 h0.51
LED75_W5_23: Mechanical 1 "A" at 23.006,180.319 h0.51; Mechanical 1 "K" at 19.577,180.319 h0.51
LED75_W5_24: Mechanical 1 "A" at 23.006,191.059 h0.51; Mechanical 1 "K" at 19.577,191.059 h0.51
LED75_W5_25: Mechanical 1 "A" at 23.006,201.799 h0.51; Mechanical 1 "K" at 19.577,201.799 h0.51
LED75_W5_30: Mechanical 1 "A" at 23.006,83.659 h0.51; Mechanical 1 "K" at 19.577,83.659 h0.51
LED75_W5_31: Mechanical 1 "A" at 23.006,94.399 h0.51; Mechanical 1 "K" at 19.577,94.399 h0.51
LED75_W5_32: Mechanical 1 "A" at 23.006,105.139 h0.51; Mechanical 1 "K" at 19.577,105.139 h0.51
LED75_W5_33: Mechanical 1 "A" at 23.006,115.879 h0.51; Mechanical 1 "K" at 19.577,115.879 h0.51
LED75_W5_34: Mechanical 1 "A" at 23.006,126.619 h0.51; Mechanical 1 "K" at 19.577,126.619 h0.51
LED75_W5_35: Mechanical 1 "A" at 23.006,137.359 h0.51; Mechanical 1 "K" at 19.577,137.359 h0.51
LED75_W5_40: Mechanical 1 "A" at 23.006,19.219 h0.51; Mechanical 1 "K" at 19.577,19.219 h0.51
LED75_W5_41: Mechanical 1 "A" at 23.006,29.959 h0.51; Mechanical 1 "K" at 19.577,29.959 h0.51
LED75_W5_42: Mechanical 1 "A" at 23.006,40.699 h0.51; Mechanical 1 "K" at 19.577,40.699 h0.51
LED75_W5_43: Mechanical 1 "A" at 23.006,51.439 h0.51; Mechanical 1 "K" at 19.577,51.439 h0.51
LED75_W5_44: Mechanical 1 "A" at 23.006,62.179 h0.51; Mechanical 1 "K" at 19.577,62.179 h0.51
LED75_W5_45: Mechanical 1 "A" at 23.006,72.919 h0.51; Mechanical 1 "K" at 19.577,72.919 h0.51
LED75_W5_50: Mechanical 1 "A" at 267.001,270.786 h0.51 r180; Mechanical 1 "K" at 270.43,270.786 h0.51 r180
LED75_W5_51: Mechanical 1 "A" at 267.001,260.046 h0.51 r180; Mechanical 1 "K" at 270.43,260.046 h0.51 r180
LED75_W5_52: Mechanical 1 "A" at 267.001,249.306 h0.51 r180; Mechanical 1 "K" at 270.43,249.306 h0.51 r180
LED75_W5_53: Mechanical 1 "A" at 267.001,238.566 h0.51 r180; Mechanical 1 "K" at 270.43,238.566 h0.51 r180
LED75_W5_54: Mechanical 1 "A" at 267.001,227.826 h0.51 r180; Mechanical 1 "K" at 270.43,227.826 h0.51 r180
LED75_W5_55: Mechanical 1 "A" at 267.001,217.086 h0.51 r180; Mechanical 1 "K" at 270.43,217.086 h0.51 r180
LED75_W5_60: Mechanical 1 "A" at 267.001,206.346 h0.51 r180; Mechanical 1 "K" at 270.43,206.346 h0.51 r180
LED75_W5_61: Mechanical 1 "A" at 267.001,195.606 h0.51 r180; Mechanical 1 "K" at 270.43,195.606 h0.51 r180
LED75_W5_62: Mechanical 1 "A" at 267.001,184.866 h0.51 r180; Mechanical 1 "K" at 270.43,184.866 h0.51 r180
LED75_W5_63: Mechanical 1 "A" at 267.001,174.126 h0.51 r180; Mechanical 1 "K" at 270.43,174.126 h0.51 r180
LED75_W5_64: Mechanical 1 "A" at 267.001,163.386 h0.51 r180; Mechanical 1 "K" at 270.43,163.386 h0.51 r180
LED75_W5_65: Mechanical 1 "A" at 267.001,152.646 h0.51 r180; Mechanical 1 "K" at 270.43,152.646 h0.51 r180
LED75_W5_70: Mechanical 1 "A" at 267.001,141.906 h0.51 r180; Mechanical 1 "K" at 270.43,141.906 h0.51 r180
LED75_W5_71: Mechanical 1 "A" at 267.001,131.166 h0.51 r180; Mechanical 1 "K" at 270.43,131.166 h0.51 r180
LED75_W5_72: Mechanical 1 "A" at 267.001,120.426 h0.51 r180; Mechanical 1 "K" at 270.43,120.426 h0.51 r180
LED75_W5_73: Mechanical 1 "A" at 267.001,109.686 h0.51 r180; Mechanical 1 "K" at 270.43,109.686 h0.51 r180
LED75_W5_74: Mechanical 1 "A" at 267.001,98.946 h0.51 r180; Mechanical 1 "K" at 270.43,98.946 h0.51 r180
LED75_W5_75: Mechanical 1 "A" at 267.001,88.206 h0.51 r180; Mechanical 1 "K" at 270.43,88.206 h0.51 r180
LED75_W5_80: Mechanical 1 "A" at 267.001,77.466 h0.51 r180; Mechanical 1 "K" at 270.43,77.466 h0.51 r180
LED75_W5_81: Mechanical 1 "A" at 267.001,66.726 h0.51 r180; Mechanical 1 "K" at 270.43,66.726 h0.51 r180
LED75_W5_82: Mechanical 1 "A" at 267.001,55.986 h0.51 r180; Mechanical 1 "K" at 270.43,55.986 h0.51 r180
LED75_W5_83: Mechanical 1 "A" at 267.001,45.246 h0.51 r180; Mechanical 1 "K" at 270.43,45.246 h0.51 r180
LED75_W5_84: Mechanical 1 "A" at 267.001,34.506 h0.51 r180; Mechanical 1 "K" at 270.43,34.506 h0.51 r180
LED75_W5_85: Mechanical 1 "A" at 267.001,23.766 h0.51 r180; Mechanical 1 "K" at 270.43,23.766 h0.51 r180
LED75_W5_90: Mechanical 1 "A" at 116.627,292.266 h0.51 r180; Mechanical 1 "K" at 120.056,292.266 h0.51 r180
LED75_W5_91: Mechanical 1 "A" at 105.886,281.526 h0.51 r180; Mechanical 1 "K" at 109.315,281.526 h0.51 r180
LED75_W5_92: Mechanical 1 "A" at 141.157,255.474 h0.51; Mechanical 1 "K" at 137.728,255.474 h0.51
LED75_W5_93: Mechanical 1 "A" at 148.85,260.046 h0.51 r180; Mechanical 1 "K" at 152.279,260.046 h0.51 r180
LED75_W5_94: Mechanical 1 "A" at 184.121,276.954 h0.51; Mechanical 1 "K" at 180.692,276.954 h0.51
LED75_W5_95: Mechanical 1 "A" at 173.38,287.694 h0.51; Mechanical 1 "K" at 169.951,287.694 h0.51
LED75_W5_A0: Mechanical 1 "A" at 173.38,-2.286 h0.51; Mechanical 1 "K" at 169.951,-2.286 h0.51
LED75_W5_A1: Mechanical 1 "A" at 184.121,8.454 h0.51; Mechanical 1 "K" at 180.692,8.454 h0.51
LED75_W5_A2: Mechanical 1 "A" at 148.85,34.506 h0.51 r180; Mechanical 1 "K" at 152.279,34.506 h0.51 r180
LED75_W5_A3: Mechanical 1 "A" at 141.157,29.934 h0.51; Mechanical 1 "K" at 137.728,29.934 h0.51
LED75_W5_A4: Mechanical 1 "A" at 105.886,13.026 h0.51 r180; Mechanical 1 "K" at 109.315,13.026 h0.51 r180
LED75_W5_A5: Mechanical 1 "A" at 116.627,2.286 h0.51 r180; Mechanical 1 "K" at 120.056,2.286 h0.51 r180
LED76_W5_10: Mechanical 1 "A" at 12.265,212.539 h0.51; Mechanical 1 "K" at 8.836,212.539 h0.51
LED76_W5_11: Mechanical 1 "A" at 12.265,223.279 h0.51; Mechanical 1 "K" at 8.836,223.279 h0.51
LED76_W5_12: Mechanical 1 "A" at 12.265,234.019 h0.51; Mechanical 1 "K" at 8.836,234.019 h0.51
LED76_W5_13: Mechanical 1 "A" at 12.265,244.759 h0.51; Mechanical 1 "K" at 8.836,244.759 h0.51
LED76_W5_14: Mechanical 1 "A" at 12.265,255.499 h0.51; Mechanical 1 "K" at 8.836,255.499 h0.51
LED76_W5_15: Mechanical 1 "A" at 12.265,266.239 h0.51; Mechanical 1 "K" at 8.836,266.239 h0.51
LED76_W5_20: Mechanical 1 "A" at 12.265,148.099 h0.51; Mechanical 1 "K" at 8.836,148.099 h0.51
LED76_W5_21: Mechanical 1 "A" at 12.265,158.839 h0.51; Mechanical 1 "K" at 8.836,158.839 h0.51
LED76_W5_22: Mechanical 1 "A" at 12.265,169.579 h0.51; Mechanical 1 "K" at 8.836,169.579 h0.51
LED76_W5_23: Mechanical 1 "A" at 12.265,180.319 h0.51; Mechanical 1 "K" at 8.836,180.319 h0.51
LED76_W5_24: Mechanical 1 "A" at 12.265,191.059 h0.51; Mechanical 1 "K" at 8.836,191.059 h0.51
LED76_W5_25: Mechanical 1 "A" at 12.265,201.799 h0.51; Mechanical 1 "K" at 8.836,201.799 h0.51
LED76_W5_30: Mechanical 1 "A" at 12.265,83.659 h0.51; Mechanical 1 "K" at 8.836,83.659 h0.51
LED76_W5_31: Mechanical 1 "A" at 12.265,94.399 h0.51; Mechanical 1 "K" at 8.836,94.399 h0.51
LED76_W5_32: Mechanical 1 "A" at 12.265,105.139 h0.51; Mechanical 1 "K" at 8.836,105.139 h0.51
LED76_W5_33: Mechanical 1 "A" at 12.265,115.879 h0.51; Mechanical 1 "K" at 8.836,115.879 h0.51
LED76_W5_34: Mechanical 1 "A" at 12.265,126.619 h0.51; Mechanical 1 "K" at 8.836,126.619 h0.51
LED76_W5_35: Mechanical 1 "A" at 12.265,137.359 h0.51; Mechanical 1 "K" at 8.836,137.359 h0.51
LED76_W5_40: Mechanical 1 "A" at 12.265,19.219 h0.51; Mechanical 1 "K" at 8.836,19.219 h0.51
LED76_W5_41: Mechanical 1 "A" at 12.265,29.959 h0.51; Mechanical 1 "K" at 8.836,29.959 h0.51
LED76_W5_42: Mechanical 1 "A" at 12.265,40.699 h0.51; Mechanical 1 "K" at 8.836,40.699 h0.51
LED76_W5_43: Mechanical 1 "A" at 12.265,51.439 h0.51; Mechanical 1 "K" at 8.836,51.439 h0.51
LED76_W5_44: Mechanical 1 "A" at 12.265,62.179 h0.51; Mechanical 1 "K" at 8.836,62.179 h0.51
LED76_W5_45: Mechanical 1 "A" at 12.265,72.919 h0.51; Mechanical 1 "K" at 8.836,72.919 h0.51
LED76_W5_50: Mechanical 1 "A" at 277.742,270.786 h0.51 r180; Mechanical 1 "K" at 281.171,270.786 h0.51 r180
LED76_W5_51: Mechanical 1 "A" at 277.742,260.046 h0.51 r180; Mechanical 1 "K" at 281.171,260.046 h0.51 r180
LED76_W5_52: Mechanical 1 "A" at 277.742,249.306 h0.51 r180; Mechanical 1 "K" at 281.171,249.306 h0.51 r180
LED76_W5_53: Mechanical 1 "A" at 277.742,238.566 h0.51 r180; Mechanical 1 "K" at 281.171,238.566 h0.51 r180
LED76_W5_54: Mechanical 1 "A" at 277.742,227.826 h0.51 r180; Mechanical 1 "K" at 281.171,227.826 h0.51 r180
LED76_W5_55: Mechanical 1 "A" at 277.742,217.086 h0.51 r180; Mechanical 1 "K" at 281.171,217.086 h0.51 r180
LED76_W5_60: Mechanical 1 "A" at 277.742,206.346 h0.51 r180; Mechanical 1 "K" at 281.171,206.346 h0.51 r180
LED76_W5_61: Mechanical 1 "A" at 277.742,195.606 h0.51 r180; Mechanical 1 "K" at 281.171,195.606 h0.51 r180
LED76_W5_62: Mechanical 1 "A" at 277.742,184.866 h0.51 r180; Mechanical 1 "K" at 281.171,184.866 h0.51 r180
LED76_W5_63: Mechanical 1 "A" at 277.742,174.126 h0.51 r180; Mechanical 1 "K" at 281.171,174.126 h0.51 r180
LED76_W5_64: Mechanical 1 "A" at 277.742,163.386 h0.51 r180; Mechanical 1 "K" at 281.171,163.386 h0.51 r180
LED76_W5_65: Mechanical 1 "A" at 277.742,152.646 h0.51 r180; Mechanical 1 "K" at 281.171,152.646 h0.51 r180
LED76_W5_70: Mechanical 1 "A" at 277.742,141.906 h0.51 r180; Mechanical 1 "K" at 281.171,141.906 h0.51 r180
LED76_W5_71: Mechanical 1 "A" at 277.742,131.166 h0.51 r180; Mechanical 1 "K" at 281.171,131.166 h0.51 r180
LED76_W5_72: Mechanical 1 "A" at 277.742,120.426 h0.51 r180; Mechanical 1 "K" at 281.171,120.426 h0.51 r180
LED76_W5_73: Mechanical 1 "A" at 277.742,109.686 h0.51 r180; Mechanical 1 "K" at 281.171,109.686 h0.51 r180
LED76_W5_74: Mechanical 1 "A" at 277.742,98.946 h0.51 r180; Mechanical 1 "K" at 281.171,98.946 h0.51 r180
LED76_W5_75: Mechanical 1 "A" at 277.742,88.206 h0.51 r180; Mechanical 1 "K" at 281.171,88.206 h0.51 r180
LED76_W5_80: Mechanical 1 "A" at 277.742,77.466 h0.51 r180; Mechanical 1 "K" at 281.171,77.466 h0.51 r180
LED76_W5_81: Mechanical 1 "A" at 277.742,66.726 h0.51 r180; Mechanical 1 "K" at 281.171,66.726 h0.51 r180
LED76_W5_82: Mechanical 1 "A" at 277.742,55.986 h0.51 r180; Mechanical 1 "K" at 281.171,55.986 h0.51 r180
LED76_W5_83: Mechanical 1 "A" at 277.742,45.246 h0.51 r180; Mechanical 1 "K" at 281.171,45.246 h0.51 r180
LED76_W5_84: Mechanical 1 "A" at 277.742,34.506 h0.51 r180; Mechanical 1 "K" at 281.171,34.506 h0.51 r180
LED76_W5_85: Mechanical 1 "A" at 277.742,23.766 h0.51 r180; Mechanical 1 "K" at 281.171,23.766 h0.51 r180
LED76_W5_90: Mechanical 1 "A" at 127.368,292.266 h0.51 r180; Mechanical 1 "K" at 130.797,292.266 h0.51 r180
LED76_W5_91: Mechanical 1 "A" at 116.627,281.526 h0.51 r180; Mechanical 1 "K" at 120.056,281.526 h0.51 r180
LED76_W5_92: Mechanical 1 "A" at 141.157,266.214 h0.51; Mechanical 1 "K" at 137.728,266.214 h0.51
LED76_W5_93: Mechanical 1 "A" at 148.85,270.786 h0.51 r180; Mechanical 1 "K" at 152.279,270.786 h0.51 r180
LED76_W5_94: Mechanical 1 "A" at 173.38,276.954 h0.51; Mechanical 1 "K" at 169.951,276.954 h0.51
LED76_W5_95: Mechanical 1 "A" at 162.639,287.694 h0.51; Mechanical 1 "K" at 159.21,287.694 h0.51
LED76_W5_A0: Mechanical 1 "A" at 162.639,-2.286 h0.51; Mechanical 1 "K" at 159.21,-2.286 h0.51
LED76_W5_A1: Mechanical 1 "A" at 173.38,8.454 h0.51; Mechanical 1 "K" at 169.951,8.454 h0.51
LED76_W5_A2: Mechanical 1 "A" at 148.85,23.766 h0.51 r180; Mechanical 1 "K" at 152.279,23.766 h0.51 r180
LED76_W5_A3: Mechanical 1 "A" at 141.157,19.194 h0.51; Mechanical 1 "K" at 137.728,19.194 h0.51
LED76_W5_A4: Mechanical 1 "A" at 116.627,13.026 h0.51 r180; Mechanical 1 "K" at 120.056,13.026 h0.51 r180
LED76_W5_A5: Mechanical 1 "A" at 127.368,2.286 h0.51 r180; Mechanical 1 "K" at 130.797,2.286 h0.51 r180
LED77_W5_10: Mechanical 1 "A" at 1.524,212.539 h0.51; Mechanical 1 "K" at -1.905,212.539 h0.51
LED77_W5_11: Mechanical 1 "A" at 1.524,223.279 h0.51; Mechanical 1 "K" at -1.905,223.279 h0.51
LED77_W5_12: Mechanical 1 "A" at 1.524,234.019 h0.51; Mechanical 1 "K" at -1.905,234.019 h0.51
LED77_W5_13: Mechanical 1 "A" at 1.524,244.759 h0.51; Mechanical 1 "K" at -1.905,244.759 h0.51
LED77_W5_14: Mechanical 1 "A" at 1.524,255.499 h0.51; Mechanical 1 "K" at -1.905,255.499 h0.51
LED77_W5_15: Mechanical 1 "A" at 1.524,266.239 h0.51; Mechanical 1 "K" at -1.905,266.239 h0.51
LED77_W5_20: Mechanical 1 "A" at 1.524,148.099 h0.51; Mechanical 1 "K" at -1.905,148.099 h0.51
LED77_W5_21: Mechanical 1 "A" at 1.524,158.839 h0.51; Mechanical 1 "K" at -1.905,158.839 h0.51
LED77_W5_22: Mechanical 1 "A" at 1.524,169.579 h0.51; Mechanical 1 "K" at -1.905,169.579 h0.51
LED77_W5_23: Mechanical 1 "A" at 1.524,180.319 h0.51; Mechanical 1 "K" at -1.905,180.319 h0.51
LED77_W5_24: Mechanical 1 "A" at 1.524,191.059 h0.51; Mechanical 1 "K" at -1.905,191.059 h0.51
LED77_W5_25: Mechanical 1 "A" at 1.524,201.799 h0.51; Mechanical 1 "K" at -1.905,201.799 h0.51
LED77_W5_30: Mechanical 1 "A" at 1.524,83.659 h0.51; Mechanical 1 "K" at -1.905,83.659 h0.51
LED77_W5_31: Mechanical 1 "A" at 1.524,94.399 h0.51; Mechanical 1 "K" at -1.905,94.399 h0.51
LED77_W5_32: Mechanical 1 "A" at 1.524,105.139 h0.51; Mechanical 1 "K" at -1.905,105.139 h0.51
LED77_W5_33: Mechanical 1 "A" at 1.524,115.879 h0.51; Mechanical 1 "K" at -1.905,115.879 h0.51
LED77_W5_34: Mechanical 1 "A" at 1.524,126.619 h0.51; Mechanical 1 "K" at -1.905,126.619 h0.51
LED77_W5_35: Mechanical 1 "A" at 1.524,137.359 h0.51; Mechanical 1 "K" at -1.905,137.359 h0.51
LED77_W5_40: Mechanical 1 "A" at 1.524,19.219 h0.51; Mechanical 1 "K" at -1.905,19.219 h0.51
LED77_W5_41: Mechanical 1 "A" at 1.524,29.959 h0.51; Mechanical 1 "K" at -1.905,29.959 h0.51
LED77_W5_42: Mechanical 1 "A" at 1.524,40.699 h0.51; Mechanical 1 "K" at -1.905,40.699 h0.51
LED77_W5_43: Mechanical 1 "A" at 1.524,51.439 h0.51; Mechanical 1 "K" at -1.905,51.439 h0.51
LED77_W5_44: Mechanical 1 "A" at 1.524,62.179 h0.51; Mechanical 1 "K" at -1.905,62.179 h0.51
LED77_W5_45: Mechanical 1 "A" at 1.524,72.919 h0.51; Mechanical 1 "K" at -1.905,72.919 h0.51
LED77_W5_50: Mechanical 1 "A" at 288.483,270.786 h0.51 r180; Mechanical 1 "K" at 291.912,270.786 h0.51 r180
LED77_W5_51: Mechanical 1 "A" at 288.483,260.046 h0.51 r180; Mechanical 1 "K" at 291.912,260.046 h0.51 r180